# Altium PCB norbi_lm.PcbDoc (part 1 of 5)
Units mm, origin at the board's own origin, x right, y up, seen from the top; angles counter-clockwise.
Board outline 96.04 x 102.67 mm, 6 copper layers (Top Layer, Power Layer, Signal Layer 1, GND Plane, Signal Layer 2, Bottom Layer), stack 1.48 mm thick; 451 components, 338 nets, 1877 pads, 1157 vias.
Unrouted connection lines stored in the file: 161.
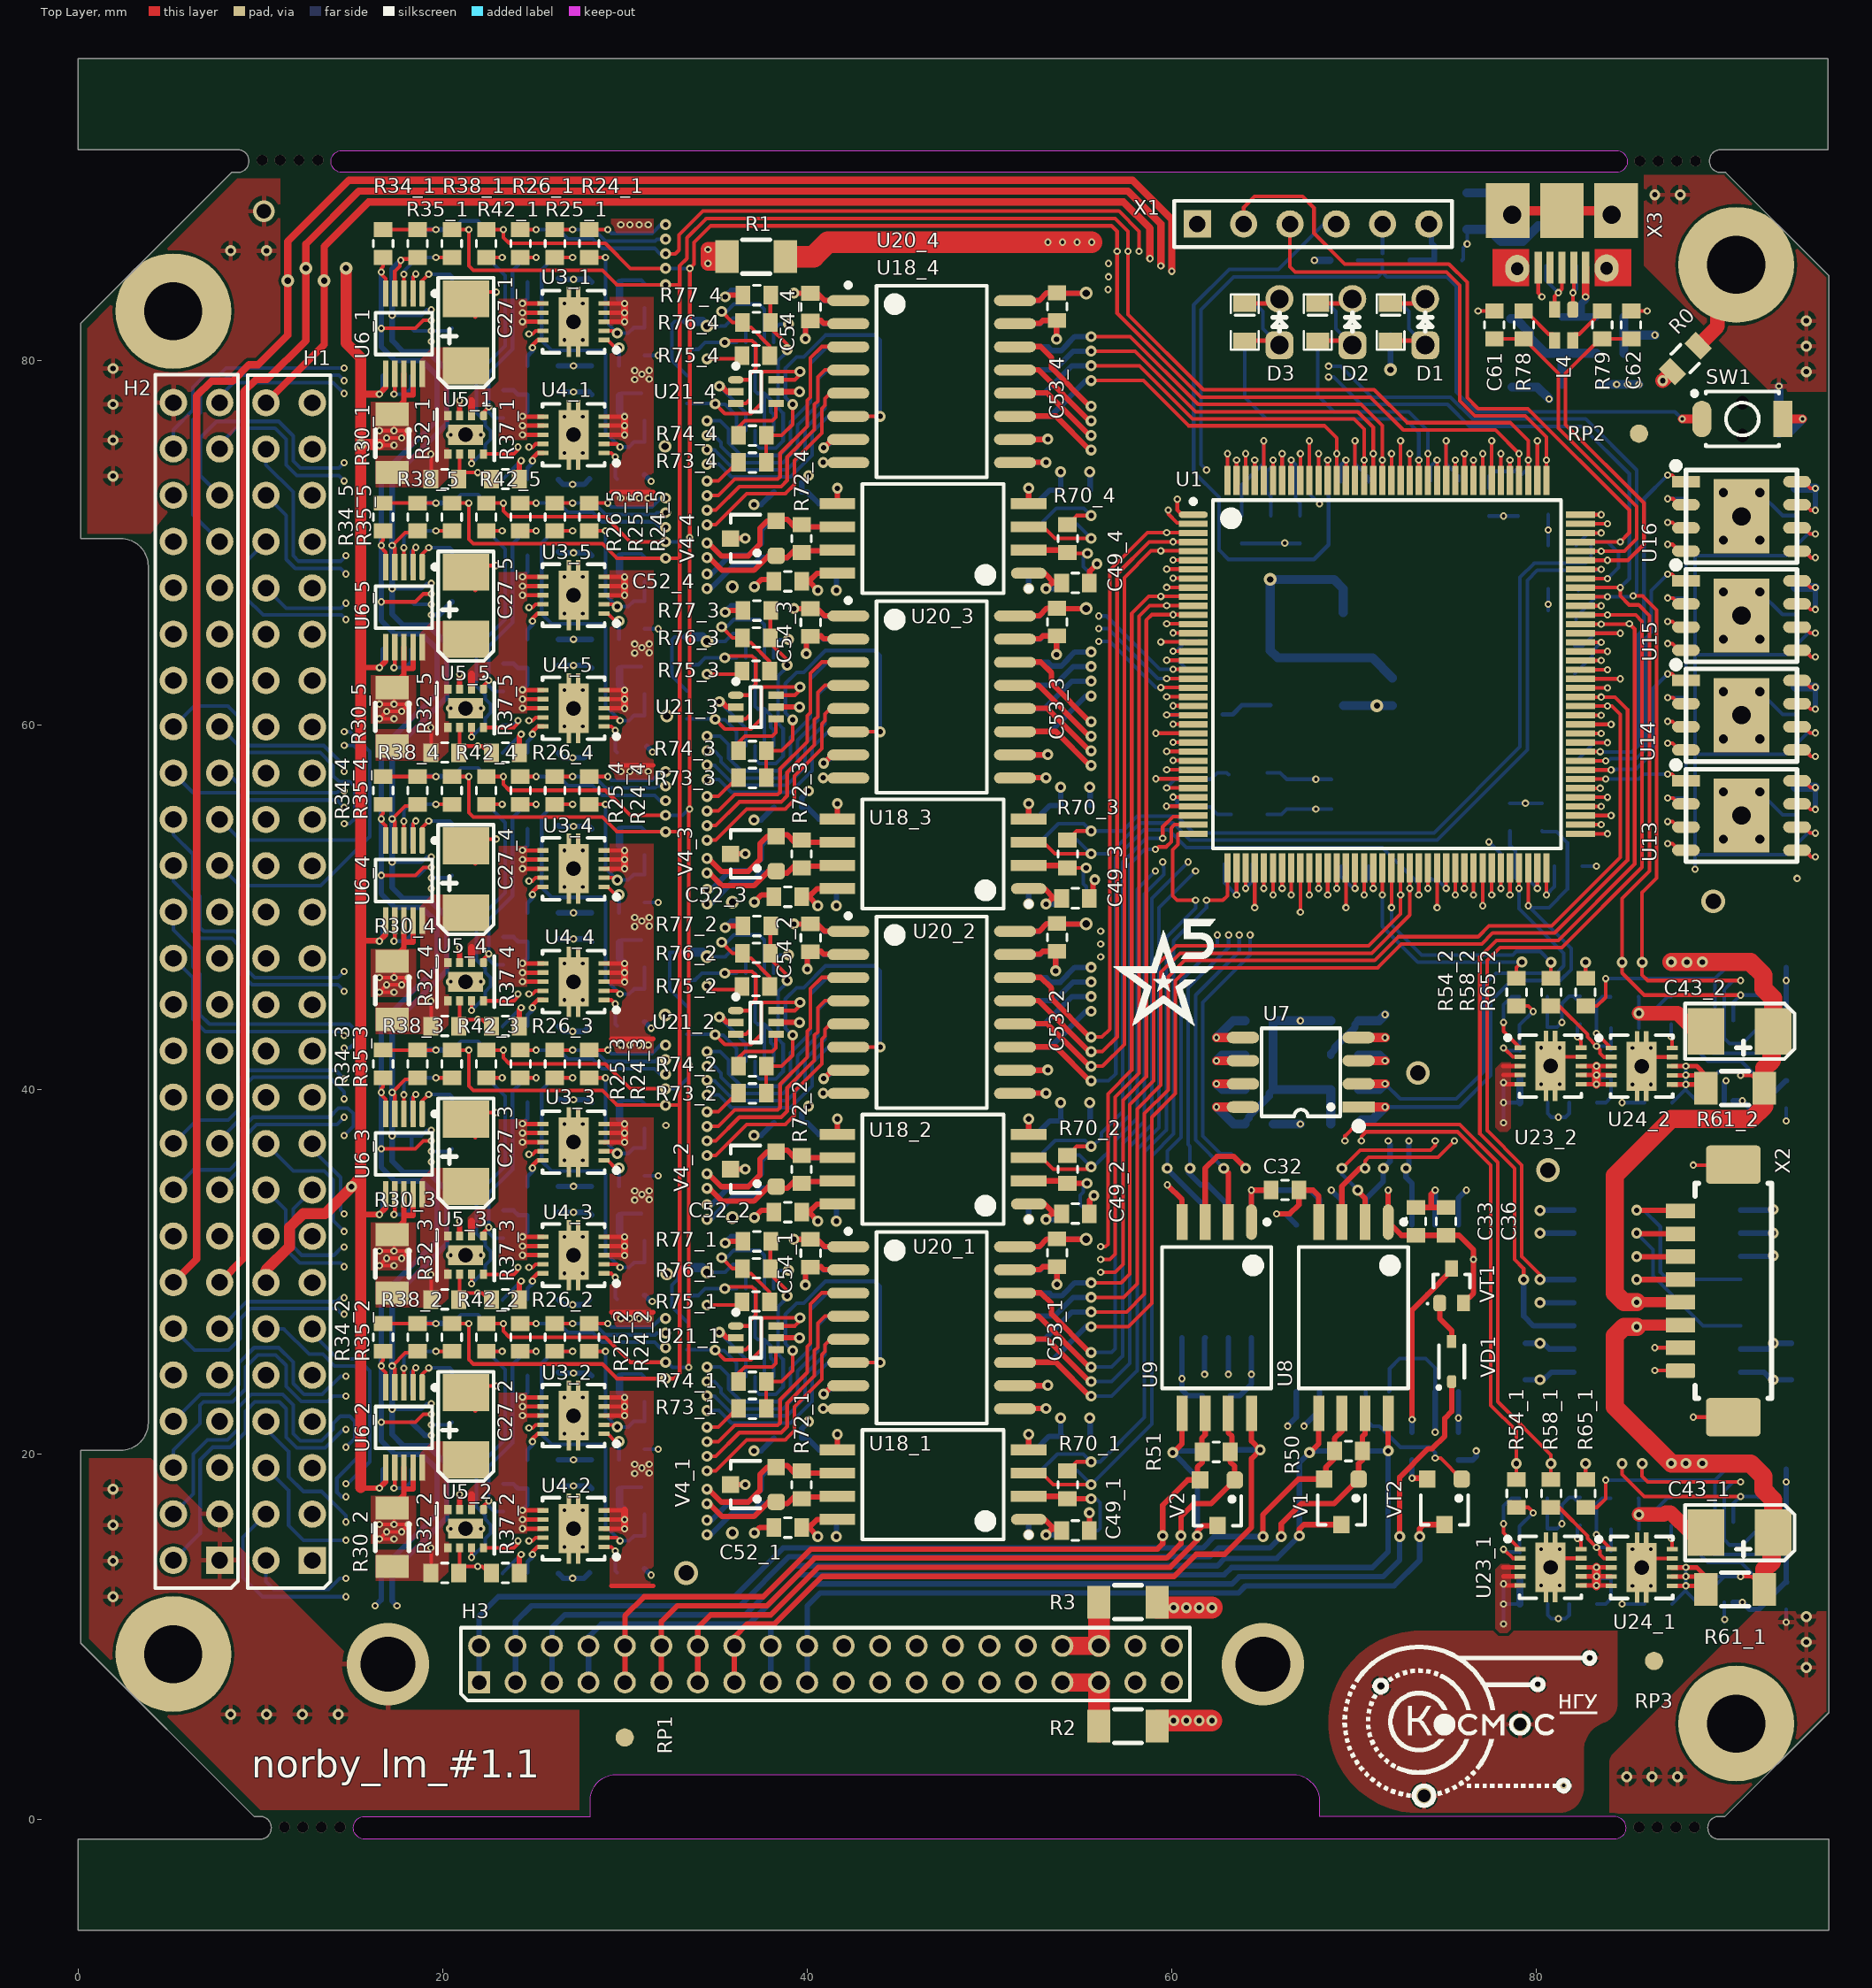
[diagram p0: Top Layer view]
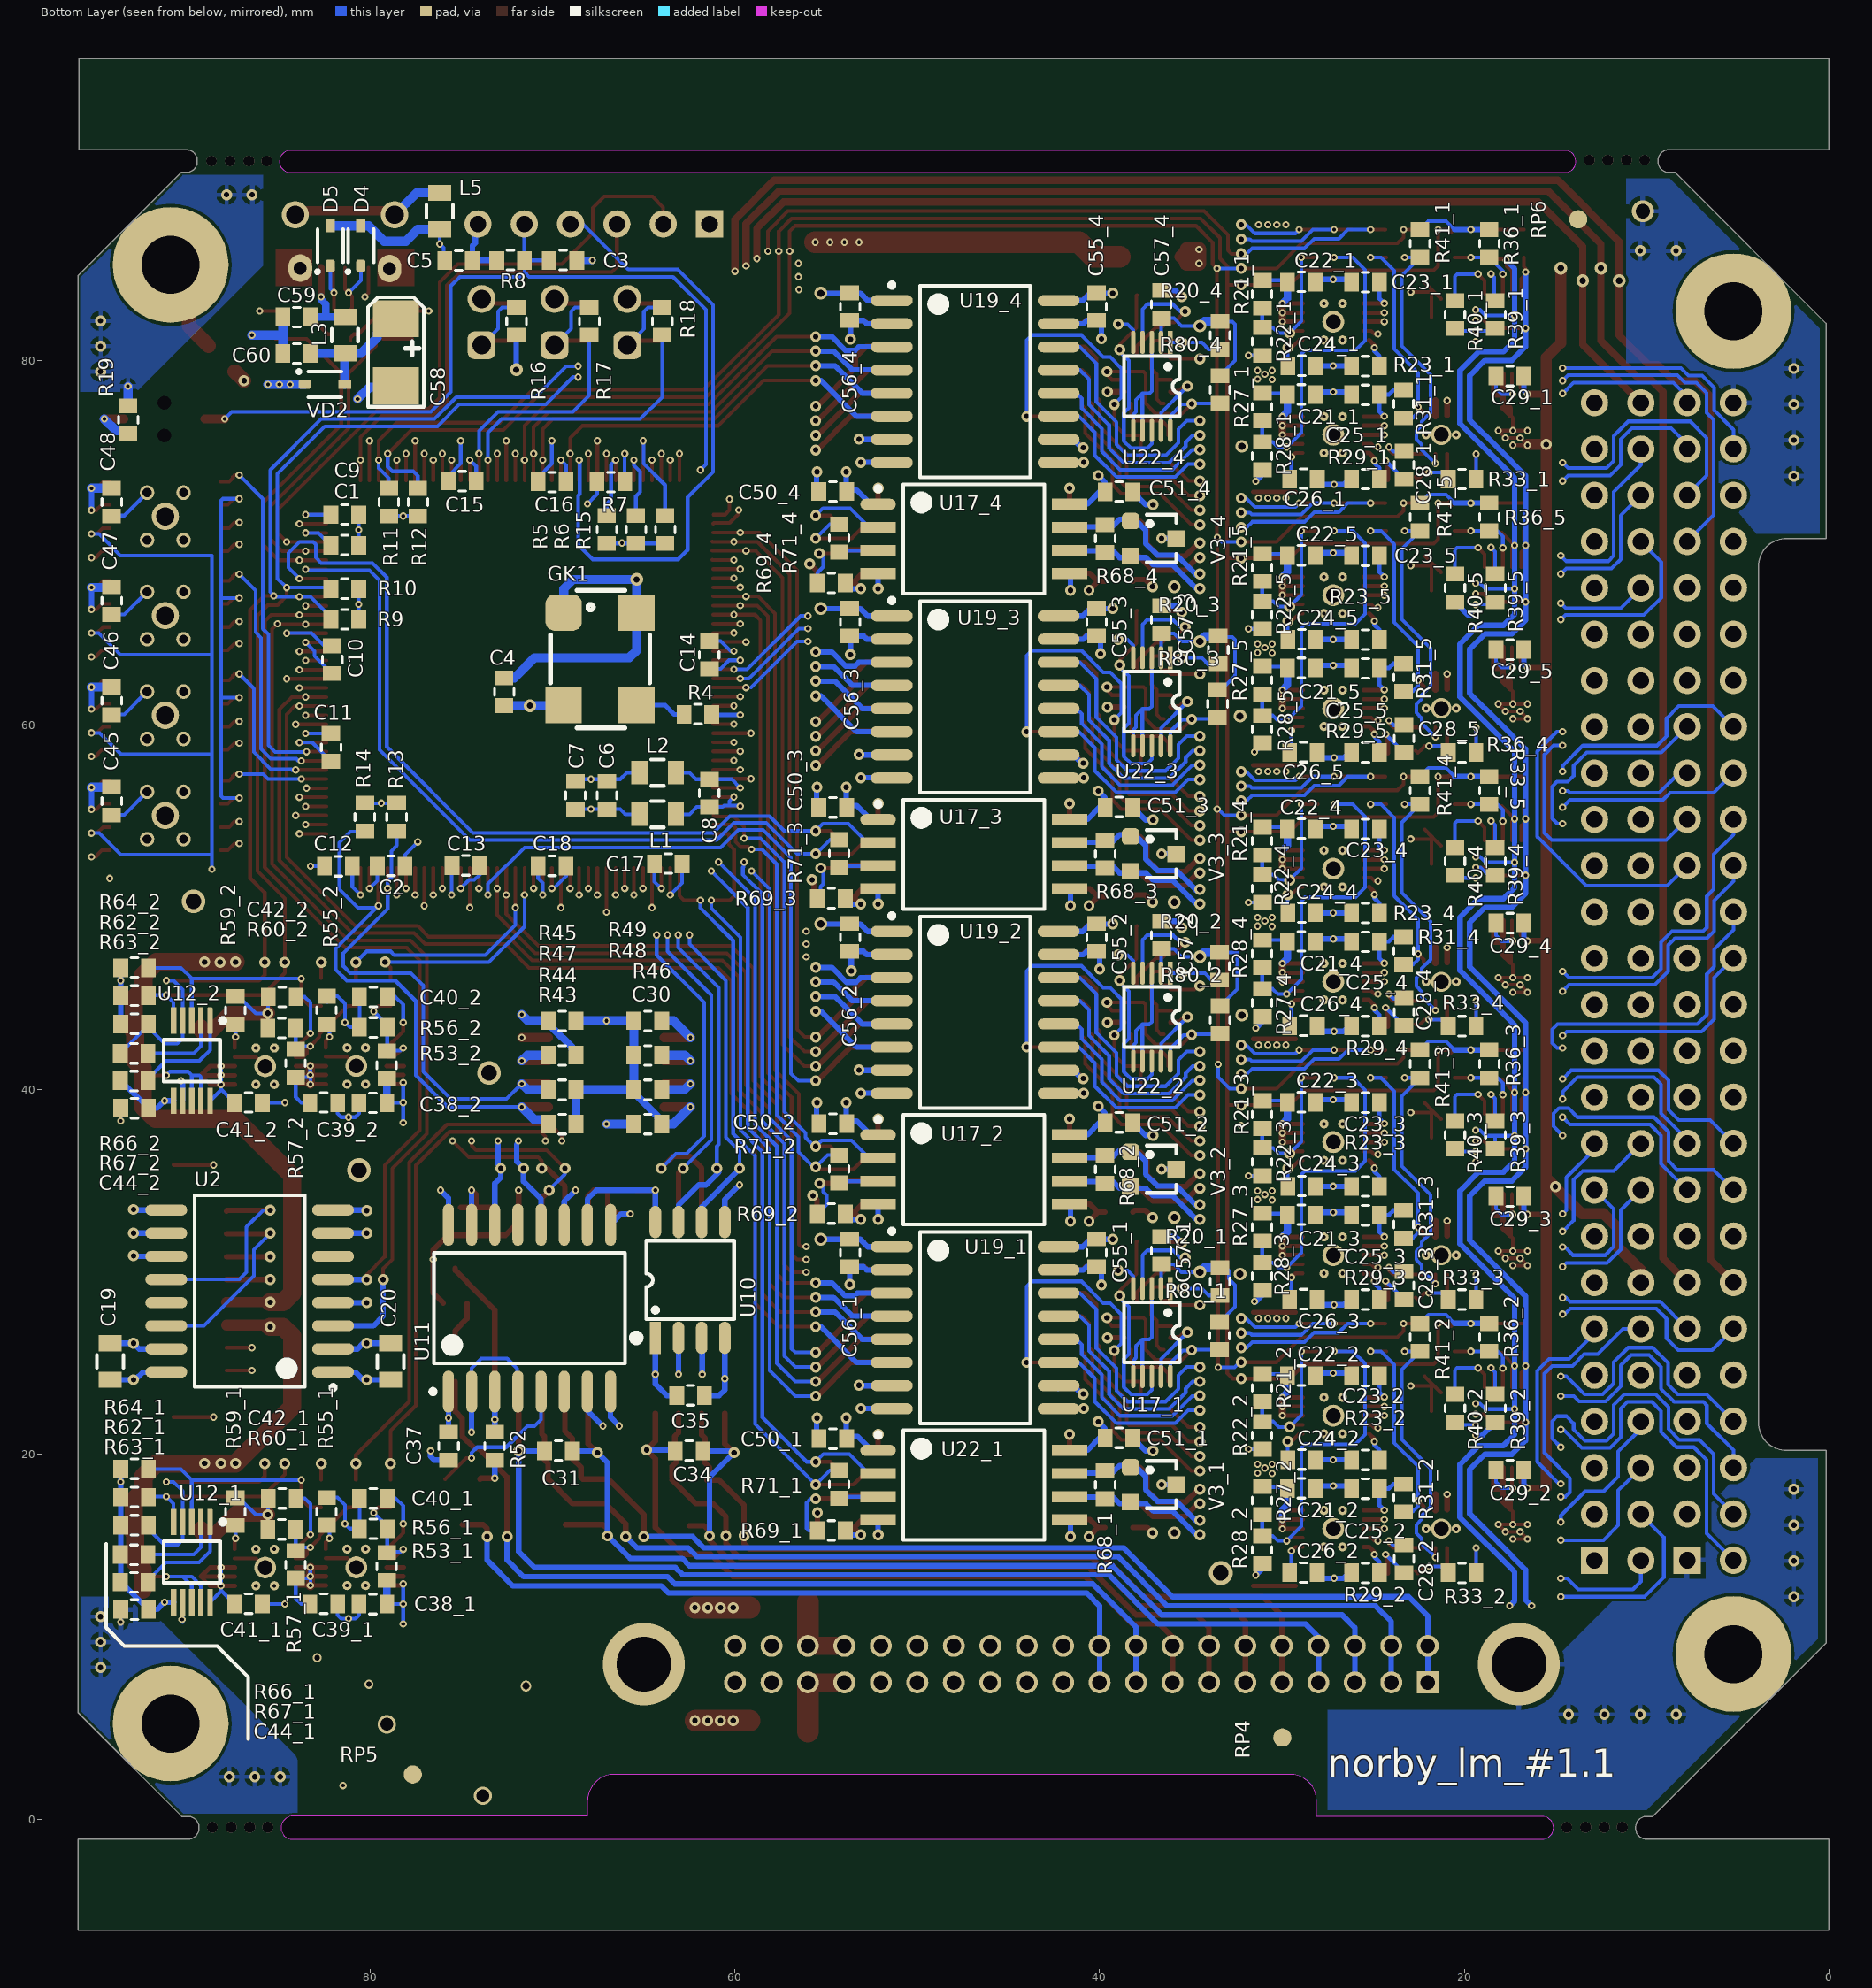
[diagram p1: Bottom Layer view, seen from below]
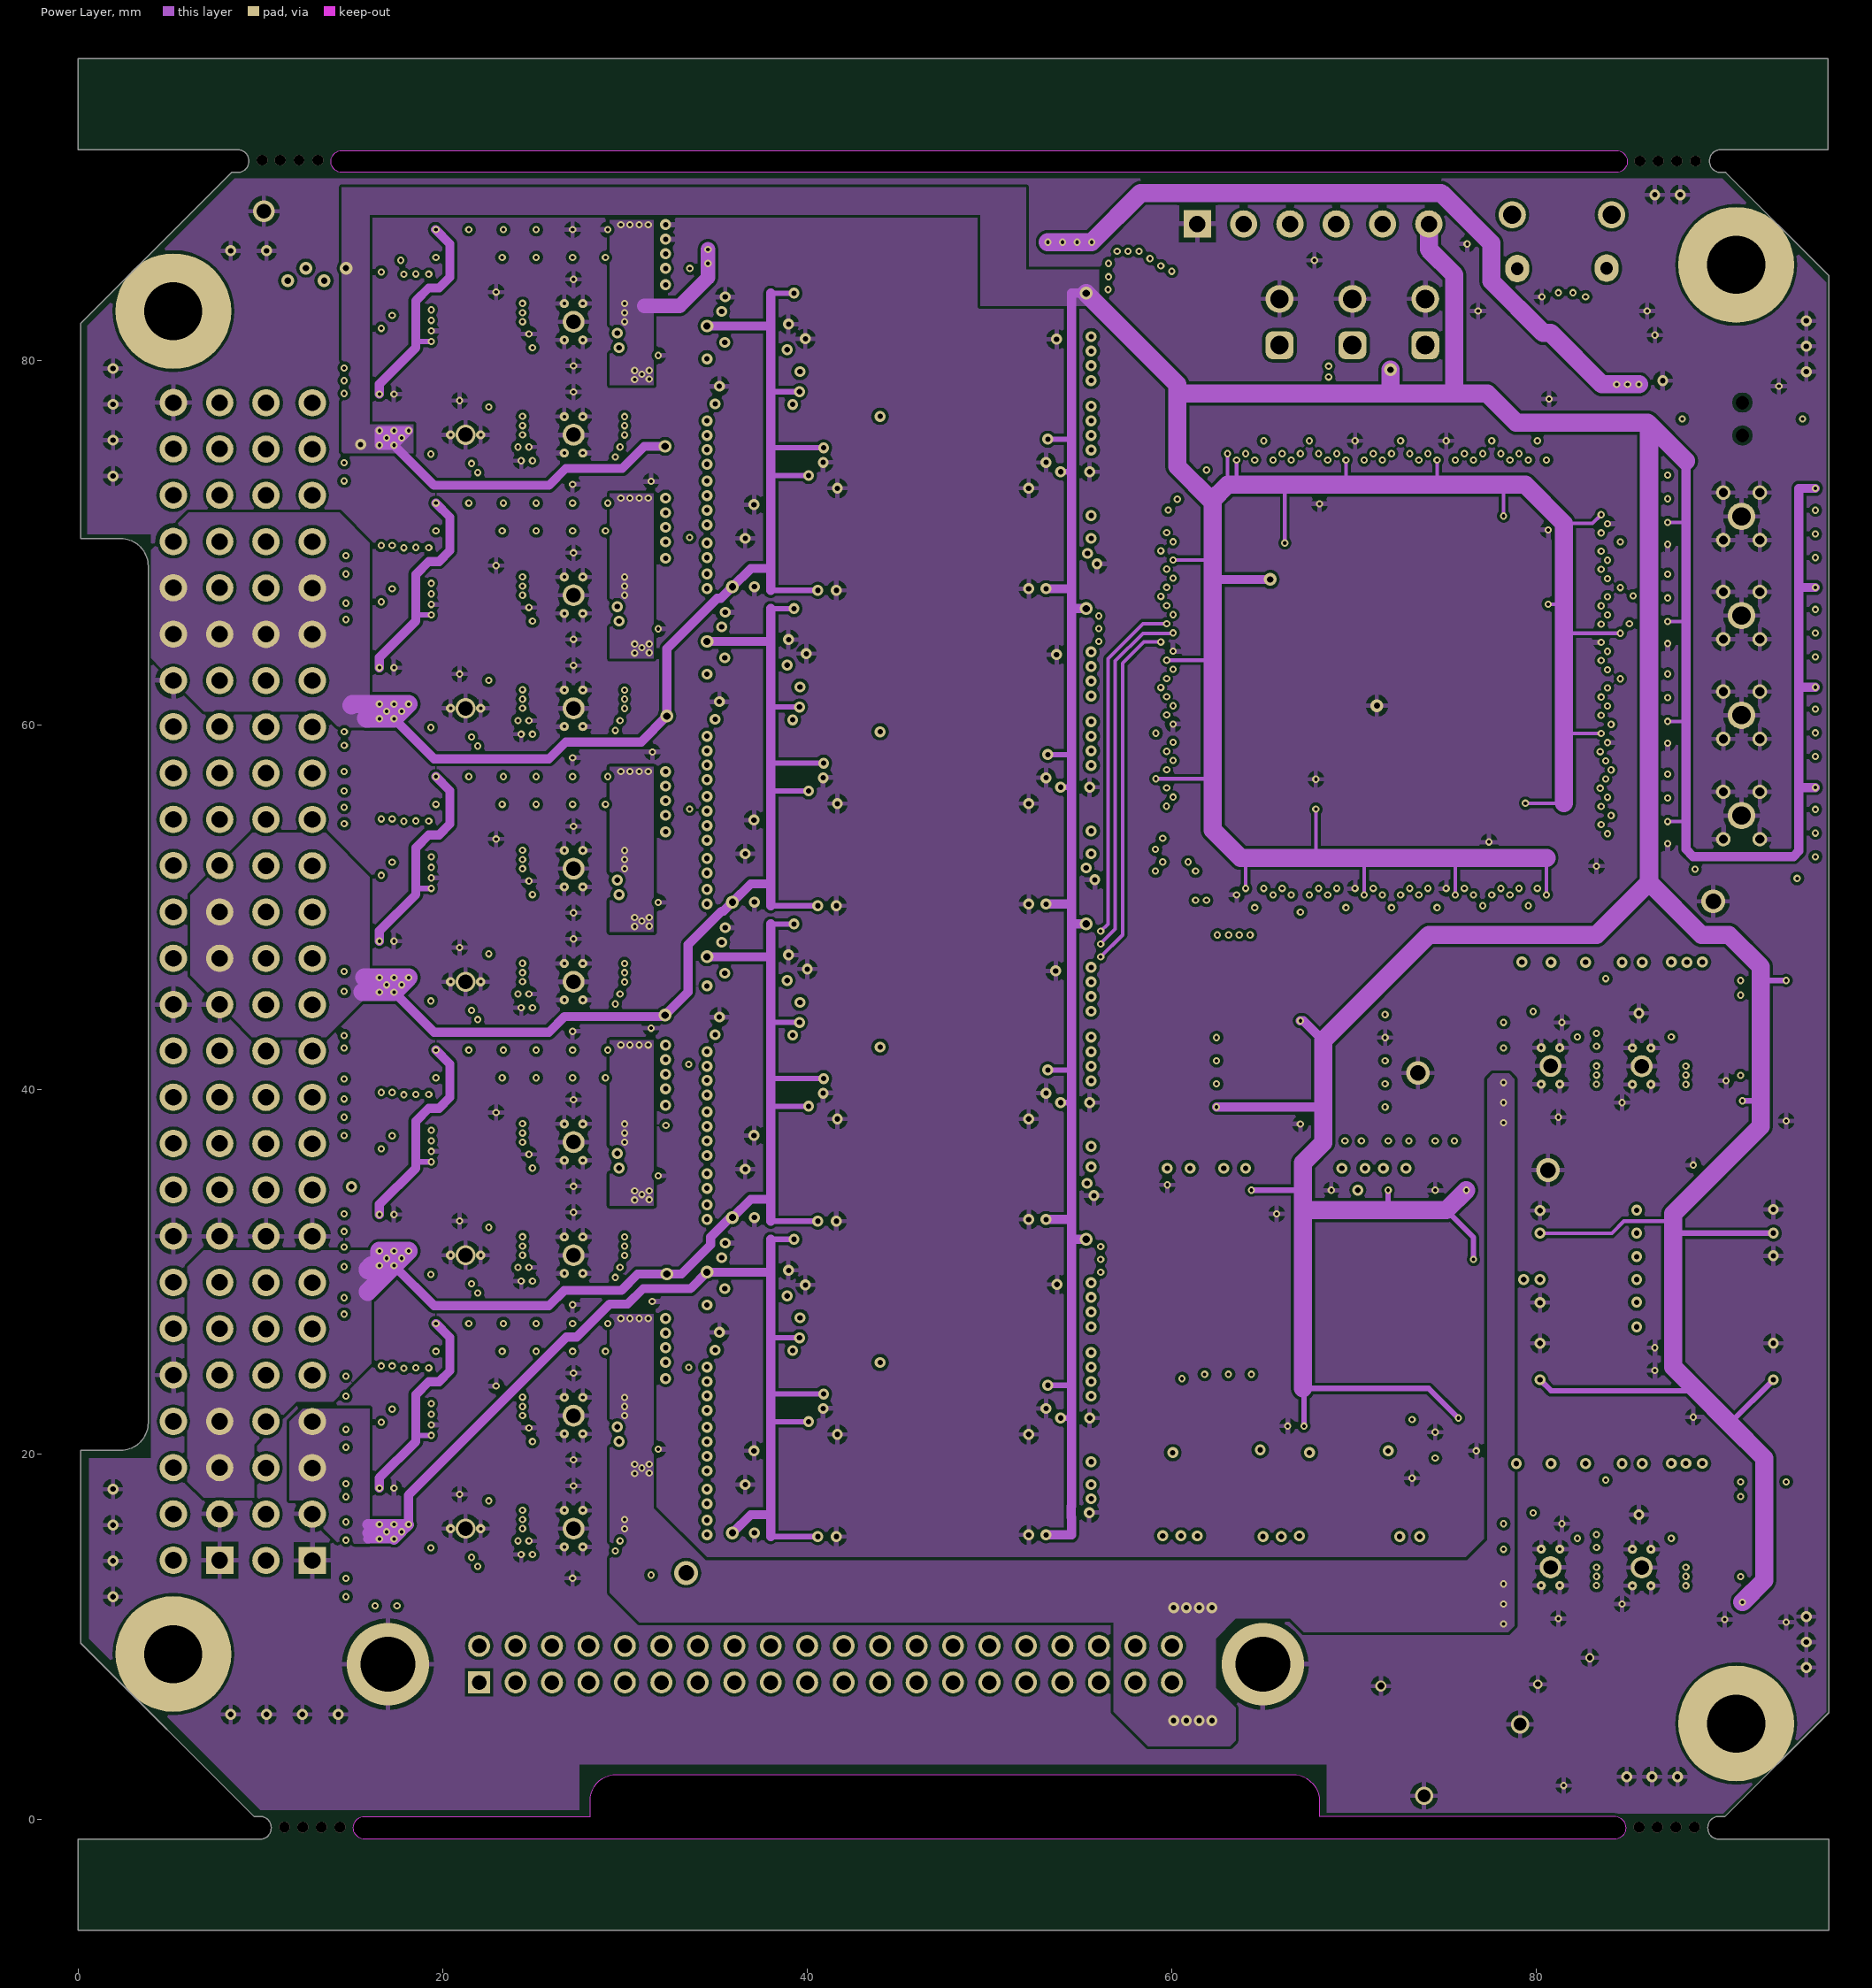
[diagram p2: Power Layer]
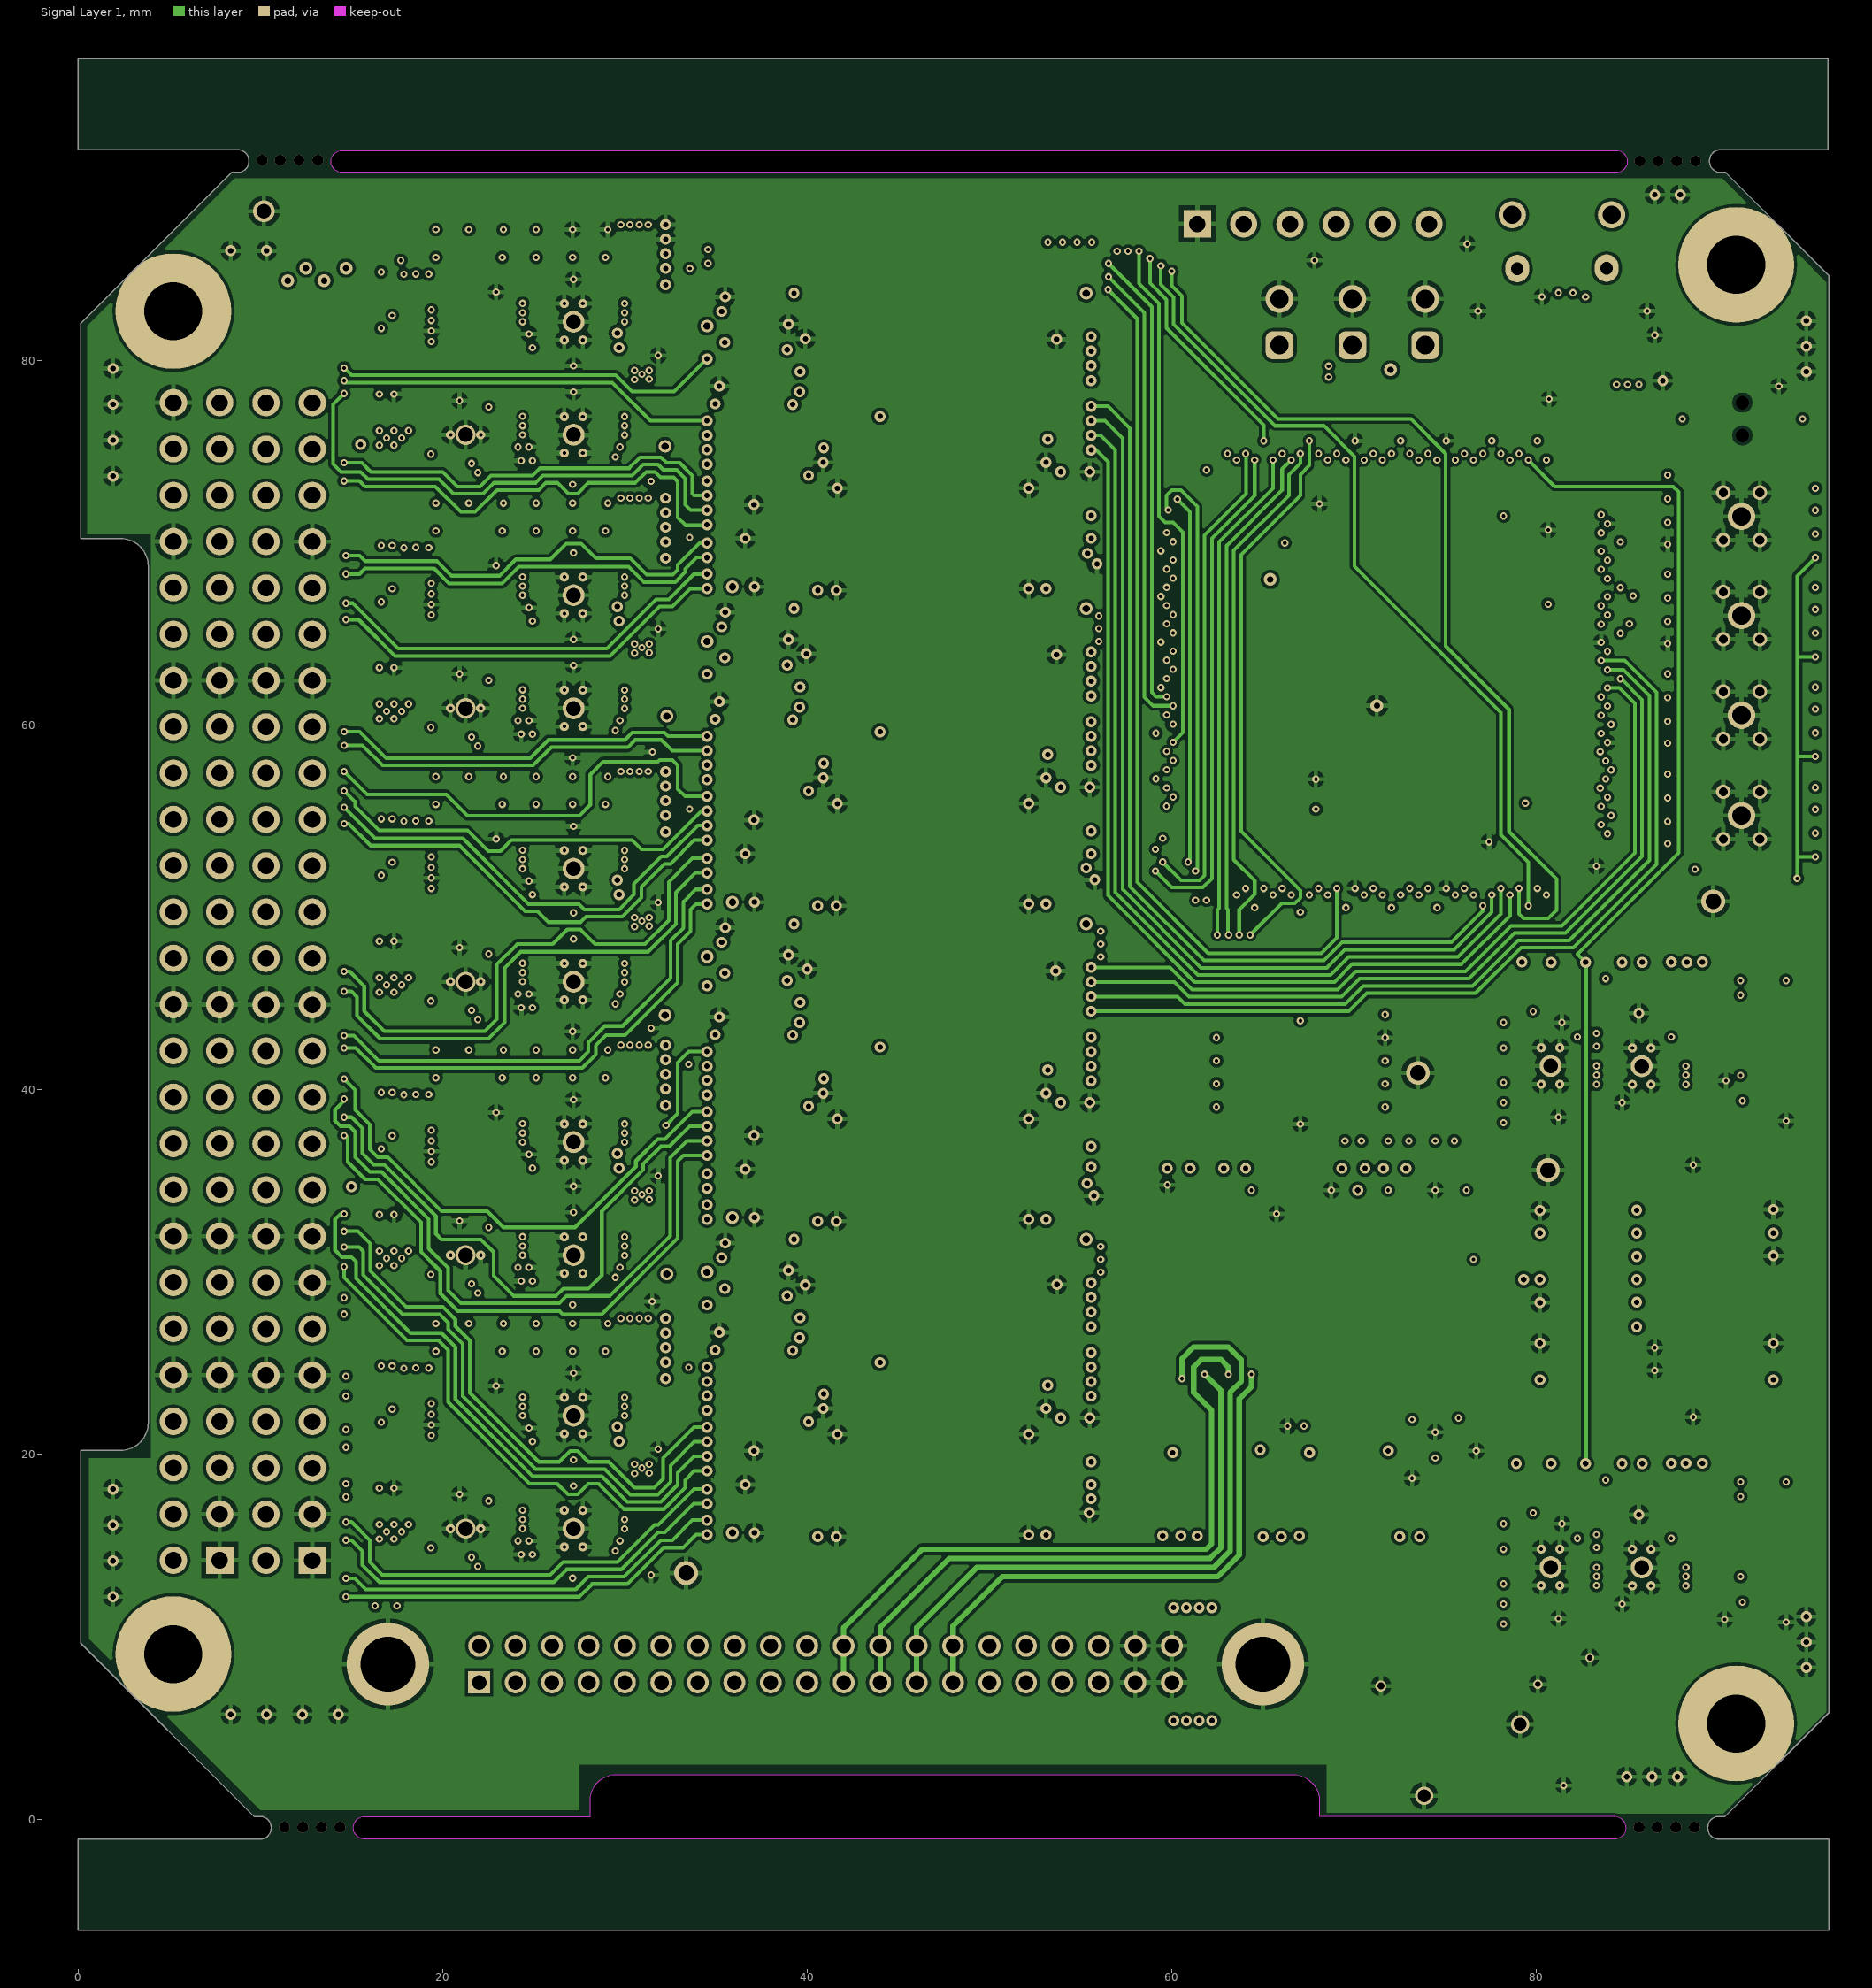
[diagram p3: Signal Layer 1]